# KiCad board eps.kicad_pcb (continued)
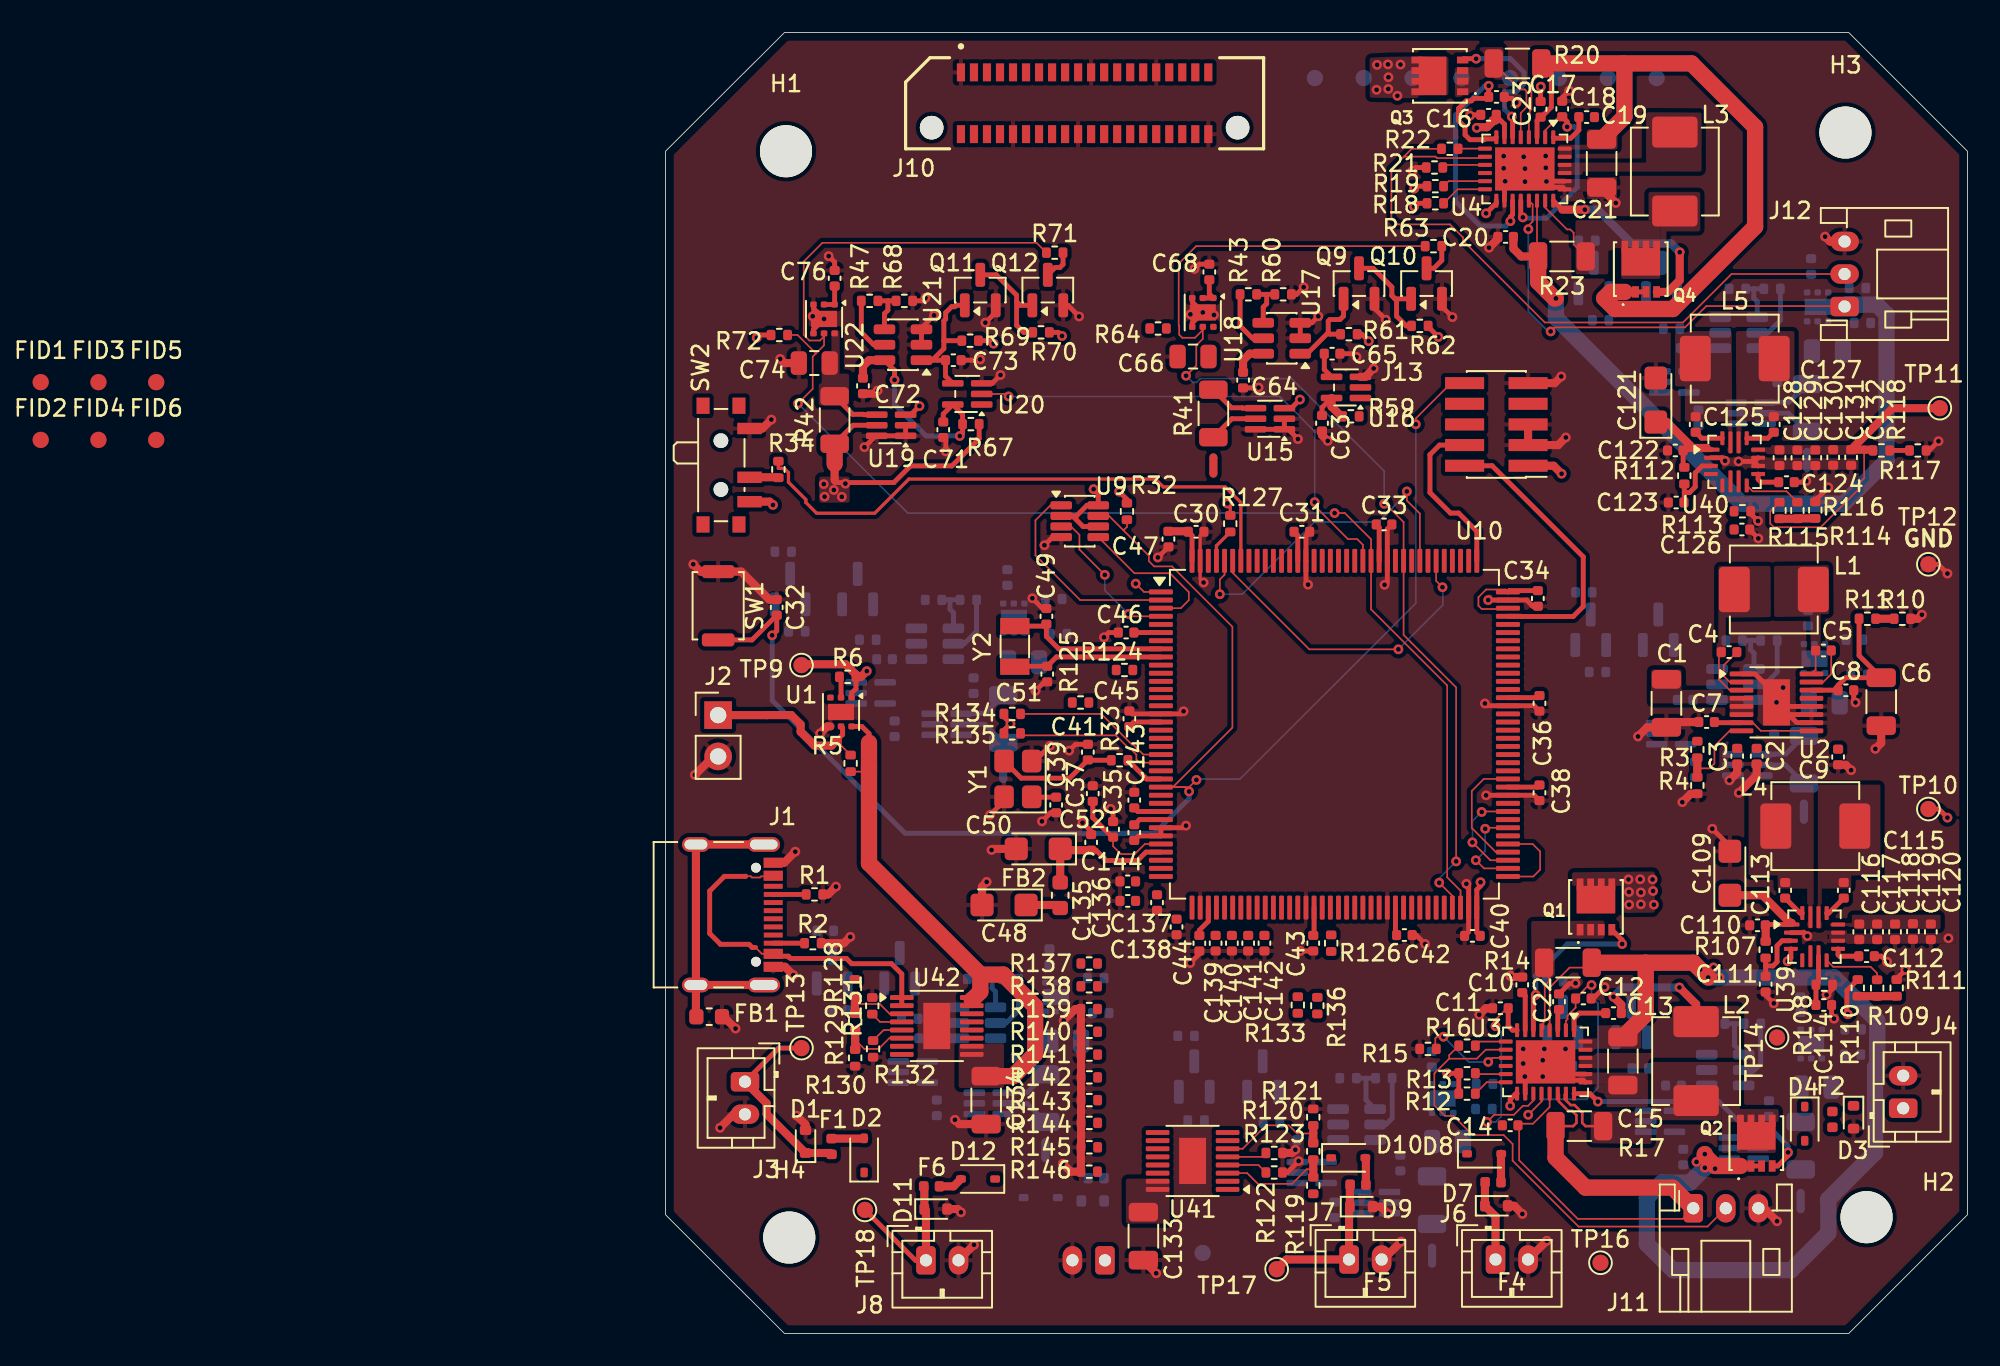
[diagram p0: board, top side]
## Routing (per net, layer and track width the routed paths; a pad name or vN(x,y) marks a point on that pad's centre or on a via; arc(x,y) is an arc through that point) (continued)
VBUS: length 21.8
  Top w0.1: 4.92,28.12 5.23,28.12 5.31,28.04 5.8,28.04 5.87,28.11 6.57,28.11 6.62,28.15 ; 5.52,23.74 5.91,23.35 6.62,23.35 ; 3.36,23.95 3.36,23.93
  Top w0.3: 5.52,23.74 5.32,23.74 5.13,23.93 3.36,23.93 ; U42.2 U42.1 14.51,22.11 13.88,22.74 11.43,22.74 11.11,23.06 7.68,23.06 7.59,23.15 7.55,23.15 7.55,23.2 6.76,23.2 6.62,23.35 ; 3.36,23.95 2.71,24.6 2.71,27.21 3.61,28.11 4.91,28.11 4.92,28.12
/Battery Charger1/CSN: length 75.8
  Top w0.1: U4.19 53.28,69.43 53.28,68.38 53.02,68.12 v1(53.02,67.91) ; R23.2 53.55,66.3 U4.20 ; J12.1 72.42,63.18 63.96,63.18 62.64,61.87 54.63,61.87 v1(54.39,61.62)
  Top w0.2: 53.02,69.63 U4.19
  Top w0.5: R23.2 52.58,66.23 52.1,66.71 C20.1
  Top w1: R23.2 53.62,64.66 54.63,63.65 v1(54.71,63.65)
  Bottom w0.1: v1(53.02,67.91) 53.02,62.84 54.24,61.62 v1(54.39,61.62)
  Bottom w1: v1(54.71,63.65) 54.71,62.47 66.15,51.03 72.39,51.03 75.03,53.67 75.03,62.68 74.43,63.27 72.57,63.27 J12.1
/Battery Charger1/CSP: length 4.6
  Top w0.1: U4.21 54.05,69.24 55.4,67.89 55.6,67.89 55.8,67.69 55.8,66.97 R23.1
/Battery Charger1/NTC: length 43.5
  Top w0.1: 45.37,72.37 44.6,71.6 44.6,68.6 45,68.2 48.2,68.2 49,67.4 49,67.2 54.03,62.17 62.52,62.17 65.5,65.15 J12.2 ; 45.37,72.37 45.85,72.85 R22.2 ; 45.37,72.37 47.31,72.37 47.4,72.28 50.27,72.28 U4.10
/Battery Charger1/VOUT: length 50.6
  Top w0.1: R20.2 53.81,77.54 53.2,76.93 53.2,75.28 53.1,75.17 53.1,74.9 53.05,74.85 U4.4
  Top w0.3: U4.3 53.55,74.58 C23.1 53.82,74.8 54.43,75.41 54.43,77.52 53.85,78.1 R20.2 ; Q4.3 Q4.2
  Top w0.5: Q4.1 Q4.2
  Top w1: 58.86,78.1 58.92,78.04 58.92,74.83 57.52,73.42 ; 58.86,78.1 63.04,78.1 66.95,74.19 66.95,68.06 61.89,63 58.34,63 57.68,63.66 58.07,64.05 Q4.1 ; 58.86,78.1 R20.2
/Battery Charger/CSN: length 33.3
  Top w0.1: U3.19 54.32,13.92 53.3,12.9 52.48,12.9 52.45,12.87 52.45,10.65 56.05,7.05 62.5,7.05 J11.1
  Top w0.158: R17.2 55.77,12.75 55.97,12.95 55.97,13.42 55.71,13.69 55.47,13.69 54.89,14.26 54.89,14.68 U3.20
  Top w1: R17.2 54.69,10.81 56.53,8.97 61.88,8.97 J11.1
/Battery Charger/CSP: length 3.8
  Top w0.158: U3.21 55.25,14.68 55.25,14.41 55.62,14.05 55.86,14.05 56.33,13.57 56.33,12.95 56.53,12.75 R17.1
/Battery Charger/NTC: length 30.1
  Top w0.1: U3.10 50.4,17.45 49.85,16.9 48.15,16.9 ; 48.15,16.9 48.15,17.11 R16.2 ; 48.15,16.9 47.24,15.99 47.24,14.03 47.89,13.38 48.41,13.38 49.59,12.2 51.5,12.2 52.05,11.65 52.05,10.62 56.1,6.57 64.02,6.57 J11.2
/Battery Charger/SW1: length 8
  Top w0.5: L2.1 63.32,20.25 v1(62.3,21.28) ; v1(58.25,20.7) 58.73,20.22 C13.2
  Bottom w0.5: v1(62.3,21.28) 58.83,21.28 v1(58.25,20.7)
/Battery Charger/VOUT: length 70.4
  Top w0.1: R14.2 56.61,22.5 55.55,22.5 54.32,21.27 U3.4
  Top w0.3: 54.82,19.94 54.9,20.02 ; C22.1 54.82,19.84 U3.3 ; Q2.1 Q2.2 Q2.3
  Top w1: v1(63.86,11.03) 63.86,10.93 64.49,10.3 Q2.1 ; C15.1 60.23,19.63 60.23,22.8 ; v1(64.07,21.89) 63.16,22.8 60.23,22.8 ; 60.23,22.8 R14.2
  Bottom w1: v1(64.07,21.89) 71.8,21.89 74.46,19.24 74.46,16.5 74.32,16.36 74.32,11.12 71.45,8.25 71.45,6.18 69.16,3.89 61.91,3.89 60.3,5.5 60.3,8.35 61.23,9.28 62.95,9.28 v1(63.86,10.19) v1(63.86,11.03)
  vias: v1(63.35,10.55) v1(63.58,22.38) v1(64.4,22.51) v1(64.49,10.14) v1(64.77,21.89)
/C1_SCL: length 1.9
  Top w0.1: U3.13 49.81,15.95 R13.1
/C1_SDA: length 2.2
  Top w0.1: U3.14 50.46,15.45 R12.1
/C2_SCL: length 2.7
  Top w0.1: R19.1 48.12,70.86 U4.13
/C2_SDA: length 2.9
  Top w0.1: R18.1 48.67,70.36 U4.14
/Current Monitors/Aux 1/RREF+: length 3.7
  Bottom w0.3: R36.1 68.31,40.67 67.55,39.91 U25.5
/Current Monitors/Aux 1/RREF-: length 3
  Bottom w0.3: R36.2 66.68,42.61 ; 66.68,42.61 66.18,42.61 ; 66.68,42.61 66.68,42.04 66.89,41.83 U25.4
/Current Monitors/Aux 1/Shunt+: length 3.1
  Bottom w0.3: R50.1 68.81,34.96 U23.5
/Current Monitors/Aux 1/Shunt-: length 3.1
  Bottom w0.3: R50.2 68.84,35.64 68.18,35.64 68.15,35.61 U23.4
/Current Monitors/Aux 2/RREF+: length 3.7
  Bottom w0.3: R40.1 19.11,43.17 18.35,42.41 U29.5
/Current Monitors/Aux 2/RREF-: length 3
  Bottom w0.3: 17.47,45.11 R84.1 ; 17.47,45.11 R40.2 ; 17.47,45.11 17.47,44.54 17.69,44.33 U29.4
/Current Monitors/Aux 2/Shunt+: length 3.1
  Bottom w0.3: U27.5 19.61,37.46 R49.1
/Current Monitors/Aux 2/Shunt-: length 3.1
  Bottom w0.3: R49.2 19.64,38.14 18.97,38.14 18.95,38.11 U27.4
/Current Monitors/Auxiliary & Deployables/RREF+: length 3.7
  Bottom w0.3: U37.5 66.91,16.2 67.3,16.59 R48.1
/Current Monitors/Auxiliary & Deployables/RREF-: length 3.3
  Bottom w0.3: U37.4 65.69,17.71 65.69,19.05 ; 65.69,19.05 R100.1 ; 65.69,19.05 R48.2
/Current Monitors/Comms/RREF+: length 3.7
  Bottom w0.3: R39.1 21.7,19.86 20.94,19.1 20.28,19.1
/Current Monitors/Comms/RREF-: length 3
  Bottom w0.3: 20.06,21.8 20.06,21.22 20.28,21.01 20.28,20.05 ; 20.06,21.8 R39.2 ; 20.06,21.8 R52.1
/Current Monitors/Comms/Shunt+: length 3.1
  Bottom w0.3: R38.1 22.2,14.15 U11.5
/Current Monitors/Comms/Shunt-: length 3.1
  Bottom w0.3: R38.2 22.22,14.83 21.56,14.83 21.54,14.8 U11.4
/Current Monitors/GPS/RREF+: length 3.7
  Top w0.3: U21.5 12.79,60.8 12.03,61.56 R47.1
/Current Monitors/GPS/RREF-: length 3
  Top w0.3: 13.66,63.5 R68.1 ; 13.66,63.5 13.66,62.92 13.45,62.71 U21.4 ; 13.66,63.5 R47.2
/Current Monitors/GPS/Shunt+: length 4.3
  Top w0.3: U19.5 11.53,55.85 R42.1
  Top w1: NT4.2 R42.1
/Current Monitors/GPS/Shunt-: length 3.1
  Top w0.3: R42.2 11.5,56.53 12.16,56.53 12.19,56.5 U19.4
/Current Monitors/OBC/RREF+: length 3.7
  Bottom w0.3: U7.5 67.75,61.54 68.51,62.3 R35.1
/Current Monitors/OBC/RREF-: length 3
  Bottom w0.3: U7.4 67.08,63.45 66.87,63.67 66.87,64.24 ; 66.87,64.24 R25.1 ; 66.87,64.24 R35.2
/Current Monitors/OBC/Shunt+: length 3.1
  Bottom w0.3: U5.5 69.01,56.59 R37.1
/Current Monitors/OBC/Shunt-: length 3.1
  Bottom w0.3: U5.4 68.35,57.24 68.37,57.27 69.03,57.27 R37.2
/Current Monitors/RAIL_3_VOUT: length 1.9
  Top w0.3: U18.2 U18.1 33.41,63.92 C68.2
/Current Monitors/RAIL_4_RST: length 30.9
  Top w0.1: v1(21.08,57.62) 20.93,57.78 U20.2 ; U10.123 42.85,48.5 42.5,48.85 41.93,48.85 39.89,50.89 v1(39.89,51.12)
  Bottom w0.1: v1(21.08,57.62) 37.74,57.62 39.89,55.47 v1(39.89,51.12)
/Current Monitors/RAIL_4_VOUT: length 1.8
  Top w0.3: C76.2 10.39,64.41 U22.1 U22.2
/Current Monitors/Raspberry Pi Camera/RREF+: length 3.7
  Bottom w0.3: R44.1 44.65,13.24 44.26,12.85 U33.5
/Current Monitors/Raspberry Pi Camera/RREF-: length 3.3
  Bottom w0.3: 43.04,15.7 R92.1 ; 43.04,15.7 43.04,14.36 U33.4 ; 43.04,15.7 R44.2
/Current Monitors/Sensors/RREF+: length 3.7
  Top w0.3: R43.1 35.3,61.96 36.06,61.2 36.72,61.2
/Current Monitors/Sensors/RREF-: length 3
  Top w0.3: 36.72,62.15 36.72,63.11 36.94,63.33 36.94,63.9 ; R43.2 36.94,63.9 ; 36.94,63.9 R60.1
/Current Monitors/Sensors/Shunt+: length 3.1
  Top w0.3: U15.5 34.8,56.25 R41.1
/Current Monitors/Sensors/Shunt-: length 3.1
  Top w0.3: U15.4 35.46,56.9 35.44,56.92 34.78,56.92 R41.2
/D_STAT2: length 2.1
  Top w0.2: R127.2 33.85,48.44 U10.141
/MPPT/MPPC: length 5.5
  Top w0.1: 66.12,37.06 65.39,37.06 64.45,36.12 64.45,35.05 64.15,34.75 63.4,34.75
  Top w0.5: R3.2 R4.1
/MPPT_ADC: length 1.1
  Top w0.5: R11.2 R10.1
/MPPT_V: length 9
  Top w0.3: R11.1 73.34,41.69 C6.1 72.52,40.33 72.05,39.86 C8.1 72.04,39.56 U2.14
/Power Path Ideal Diode1/VOUT: length 33.4
  Top w0.1: R5.2 12.27,34.55 12.5,34.78 12.3,34.98
  Top w0.3: U1.6 12.06,37.33 12.5,36.89 12.5,36.33 ; U42.15 U42.16
  Top w1: 19.34,22.07 20.75,22.07 22.71,20.11 22.71,17.18 21.35,15.83 C134.1 ; 19.34,22.07 19.34,21.02 18.84,20.51 18.81,20.51 ; 19.34,22.07 12.5,28.91 12.5,36.33
/REG_1_ALT: length 0.8
  Top w0.3: v1(68.95,22.89) 69.15,23.09 U39.4
/REG_2_ALT: length 1.8
  Top w0.1: U10.1 29.4,45.6 v1(28.89,46.11)
/RESET: length 101.5
  Top w0.1: 28.14,49.39 28.35,49.6 R32.2 ; 28.14,49.39 27.25,50.28 U9.7 ; 28.14,49.39 29.7,47.83 29.7,47.49 30.02,47.17 31.12,47.17 34.83,43.46 34.83,37.26 31.17,33.6 U10.25 ; v1(46.1,55.91) 46.1,56.27 48.27,58.44 J13.10 ; U10.25 31.9,33.6 v1(32.17,33.33) ; U10.25 32.18,33.6 v1(32.62,34.04)
  Top w0.3: SW1.2 5.31,42.65 C32.2 6.83,43.21 v1(6.55,42.93)
  Bottom w0.1: v1(32.62,34.04) 32.67,34.09 35.29,34.09 46.1,44.9 v1(46.1,55.91)
  Bottom w0.3: v1(32.17,33.33) 32.17,32.89 30.04,30.76 14.72,30.76 6.55,38.93 v1(6.55,42.93)
/SET0: length 13
  Top w0.1: U9.1 23.65,50.92 22.73,50 22.73,47.85 25.48,45.1 U10.2
/SET1: length 9.4
  Top w0.1: U10.3 31.66,44.6 32.15,45.09 32.15,45.59 30.99,46.75 28.81,46.75 U9.5
/SHIELD: length 18.9
  Top w0.5: FB1.1 1.87,19.51 J1.S1 ; J1.S1 J1.S1 J1.S1 ; J1.S1 J1.S1
/STM32L4/BOOT: length 35.5
  Top w0.2: R34.1 6.93,53.2 7.13,53.2 7.14,53.19 7.3,53.19 7.55,52.94 7.55,52.35 8.62,51.28 8.62,51.1 9.28,50.44 12.85,50.44 14.95,52.54 30.1,52.54 30.58,52.06 34.39,52.06 35.35,51.1 U10.138
/STM32L4/RAIL_1_ON: length 19.6
  Top w0.1: U10.114 47.35,46.28 v1(47.74,45.89) ; U10.139 34.85,46.78 39.55,42.07 v1(45.03,42.07)
  Bottom w0.1: v1(47.74,45.89) 47.76,45.87 47.76,44.8 v1(45.03,42.07)
/STM32L4/RAIL_2_ON: length 21
  Top w0.1: U10.140 34.35,46.66 34.06,46.37 v1(34.06,45.46) ; U10.116 46.35,50.42 45.55,51.22 v1(45.55,51.78)
  Bottom w0.1: v1(45.55,51.78) 45.3,51.53 45.3,51.41 44.71,50.82 44.71,50.79 44.39,50.47 44.36,50.47 43.79,49.9 39.88,49.9 35.44,45.46 v1(34.06,45.46)
/STM32L4/RAIL_3_ON: length 69.6
  Top w0.1: v1(48.58,29.03) 48.58,39.73 45.35,42.96 U10.118 45.35,49.9 44.23,51.02 v1(44.16,51.02) ; R63.1 32.6,66.86 31.53,65.79 31.53,61.99 31.56,61.96 31.56,61.42 31.75,61.23 32.53,61.23 33.01,61.71 U18.5 33.01,61.17 32.61,60.76 32.61,59.52 v1(31.98,58.9) ; U10.69 48.35,26.91 v1(47.54,27.72)
  Bottom w0.1: v1(48.58,29.03) 47.54,27.99 v1(47.54,27.72) ; v1(44.16,51.02) 44.16,53.03 38.47,58.72 32.86,58.72 32.63,58.49 32.39,58.49 v1(31.98,58.9)
/STM32L4/RAIL_4_ON: length 92.6
  Top w0.1: R72.2 8.11,61.4 9.24,60.27 ; R71.1 22.79,67.07 9.64,67.07 8.49,65.92 8.49,61.41 8.84,61.06 9.49,61.06 9.74,61.31 U22.5 9.74,60.77 9.24,60.27 ; 9.24,60.27 9.04,60.07 9.04,58.09 v1(8.14,57.19) ; v1(41.11,50.45) 41.74,50.45 43.35,48.84 U10.122 43.35,44.53 48.03,39.85 48.03,28.05 48.85,27.23 U10.70
  Bottom w0.1: v1(41.11,50.45) 14.88,50.45 v1(8.14,57.19)
/STM32L4/RAIL_5_ON: length 5.4
  Top w0.1: U10.73 53.32,28.1 53.74,28.52 53.74,29.64 53.28,30.1 U10.77
/STM32L4/RAIL_6_ON: length 5.8
  Top w0.1: U10.74 50.29,28.6 v1(49.79,29.1) ; v1(50.37,31.04) 50.43,31.1 U10.79
  Bottom w0.1: v1(50.37,31.04) 50.37,29.68 v1(49.79,29.1)
/STM32L4/RAIL_7_ON: length 6.4
  Top w0.1: v1(50.15,32.07) 50.18,32.1 U10.81 ; v1(49.58,30.2) 50.68,29.1 U10.75
  Bottom w0.1: v1(50.15,32.07) 49.58,31.5 v1(49.58,30.2)
/STM32L4/RAIL_7_S: length 1.7
  Top w0.3: C143.1 29.02,32.1 U10.28
/STM32L4/RAIL_8_ON: length 7.6
  Top w0.1: U10.85 50.28,34.1 49.54,33.36 49.54,31.09 51.03,29.6 U10.76
/STM32L4/RAIL_8_S: length 1.8
  Top w0.3: C144.1 29.12,31.6 U10.29
/STM32L4/SWCLK: length 10.4
  Top w0.3: U10.109 49.85,49.33 48.73,50.45 48.23,50.45 46.97,51.71 46.97,54.04 47.56,54.63 J13.4
/STM32L4/SWDIO: length 17.5
  Top w0.3: U10.105 52.6,44.1 52.62,44.09 55.77,44.09 56.39,44.71 56.39,47.76 50.79,53.36 J13.2
/U_WARN1: length 9.7
  Top w0.1: U10.21 29.36,35.6 28.74,36.22 28.65,36.22 26.77,38.1 R134.2
/U_WARN2: length 9.6
  Top w0.1: R135.2 21.93,36.78 27.66,36.78 28.53,35.92 28.61,35.92 28.93,35.6 28.93,35.3 29.13,35.1 U10.22
/VREF+: length 6.7
  Top w0.1: C35.1 27.5,29.96 27.98,29.48 28.83,29.48 29.45,30.1 U10.32
  Top w0.3: C37.1 26.25,31.72 27.45,30.52 C35.1
/VSYS: length 11.7
  Top w0.3: R6.2 11.7,39.65 11.43,39.38 U1.1 ; 51.05,74.63 C16.1 51.05,74.86 51.55,74.36 U4.7 ; C10.1 52.82,20.78 U3.7
  Top w0.5: v1(12.36,40.73) 12.01,40.38 R6.2 11.7,40.51 11.06,41.15 8.4,41.15 TP9.1 ; 51.05,74.63 51.02,74.6 50.82,74.6 50.82,74.52 50.48,74.18 49.89,74.18 v1(49.85,74.14)
  vias: v1(43.72,78.01) v1(43.69,76.48) v1(44.39,78.04) v1(44.42,77.25) v1(44.41,76.53) v1(44.97,76.11) v1(45.16,78.03) v1(59.17,27.92) v1(59.2,27.15) v1(59.21,26.37) v1(59.89,27.93) v1(59.93,27.12) v1(59.93,26.39) v1(60.65,27.92) v1(60.68,27.21) v1(60.73,26.37)
/WDI: length 9.5
  Top w0.1: U9.3 24.91,49.62 25.43,49.11 25.43,48.21 v1(26.99,46.65) ; v1(28.44,44.25) 28.59,44.1 U10.4
  Bottom w0.1: v1(26.99,46.65) 26.99,45.7 v1(28.44,44.25)
Net-(C41-Pad1): length 7.5
  Top w0.3: R33.2 25.97,35.25 C41.1 24.83,34.15 21.85,34.15 Y1.3
Net-(D1-A1): length 11.9
  Top w0.3: J3.1 6.95,17.55 TP13.1
  Top w0.5: J3.1 6.21,14.15 6.21,13.49 D1.1 10.12,11.1 F1.1
Net-(D2-A): length 2
  Top w0.5: F1.2 12.19,11.98 D2.2
Net-(D7-A1): length 5
  Top w0.5: F4.1 50.35,9.28 D7.1 51,7.2 J6.1
Net-(D8-A): length 1.8
  Top w0.5: F4.2 51.34,11.03 D8.2
Net-(D9-A1): length 9.3
  Top w0.5: TP17.1 38.15,4.55 J7.1 42,7.75 D9.1 42.05,9.14 F5.1
Net-(D10-A): length 1.7
  Top w0.5: F5.2 43.03,10.77 D10.2
Net-(D11-A1): length 9.6
  Top w0.3: J8.1 15.35,4.5 TP18.1
  Top w0.5: J8.1 16,7.55 D11.1 15.9,9.02 F6.1
Net-(D12-A): length 1.5
  Top w0.5: D12.2 17.7,9.05 F6.2
Net-(J1-CC1): length 2
  Top w0.3: 6.62,27 R1.1
Net-(J1-CC2): length 1.9
  Top w0.3: 6.62,24 R2.1
Net-(J2-Pin_1): length 11.5
  Top w0.1: R5.1 10.78,36.16 U1.5
  Top w0.3: U1.5 10.88,37.23 10.88,36.83 10.5,36.45
  Top w0.5: 10.5,36.45 10.2,36.15 9.15,36.15 8.3,37 8.3,37.45 7.72,38.03 6.23,38.03 6.22,38.03 J2.1
Net-(Q1-G): length 10.7
  Top w0.3: v1(58.78,23.95) 58.78,24.19 Q1.4 ; U3.6 53.32,20.67 v1(53.47,20.82)
  Bottom w0.3: v1(53.47,20.82) 53.47,22.01 55.42,23.95 v1(58.78,23.95)
Net-(Q2-G): length 16.3
  Top w0.3: v1(57.29,14.26) 56.8,14.75 U3.22 ; Q2.4 68.34,10.3 68.98,10.94 v1(68.98,11.13)
  Bottom w0.3: v1(57.29,14.26) 64.73,14.26 66.39,12.6 67.89,12.6 68.98,11.52 v1(68.98,11.13)
Net-(Q3-G): length 9.3
  Top w0.3: v1(49.81,78.39) 49.06,78.39 Q3.4 ; U4.6 52.05,74.78 v1(52,74.83)
  Bottom w0.3: v1(52,74.83) 51.55,75.28 51.55,76.35 52.25,76.35 52.75,76.85 52.75,77.55 51.91,78.39 v1(49.81,78.39)
Net-(Q4-G): length 12.5
  Top w0.3: U4.22 55.1,69.11
  Top w0.5: v1(62.32,66.49) 62.32,64.77 61.6,64.05 60.91,64.05 ; v1(56.49,69.11) 55.1,69.11
  Bottom w0.5: v1(62.32,66.49) 61.78,67.03 59.36,67.03 57.28,69.11 v1(56.49,69.11)
Net-(Q9-G): length 7.5
  Top w0.3: Q9.1 41.66,62.57 41.44,62.35 40.82,62.35 40.72,62.25 40.72,61.54 ; R61.2 40.81,61.45 40.72,61.54 ; C65.2 40.48,59.27 U16.4 ; 40.72,61.54 39.43,60.25 U17.1
Net-(Q10-D): length 2
  Top w0.3: R63.2 47.7,65.99 47.21,65.5 Q10.3
Net-(Q10-G): length 6.8
  Top w0.3: 44.63,63.82 44.92,63.53 44.92,62.56 45.52,61.96 R62.2 ; 44.63,63.82 44.63,64.35 43.48,65.5 Q9.3 ; 44.63,63.82 44.82,63.62 Q10.1
Net-(Q11-D): length 6.8
  Top w0.3: Q11.3 20.32,65.1 21.57,63.85 21.57,63.45 ; Q12.1 21.79,63.22 21.57,63.45 ; 21.57,63.45 21.57,62 22.01,61.56 R70.2
Net-(Q11-G): length 9.5
  Top w0.3: 17.65,58.42 17.2,58.87 C73.2 U21.1 16.39,59.85 17.1,60.56 17.1,61.06 ; Q11.1 17.85,63.22 17.77,63.14 17.58,63.14 17.21,62.77 17.21,62.38 17.1,62.27 17.1,61.06 ; 17.1,61.06 17.11,61.05 R69.2
Net-(Q12-D): length 1.9
  Top w0.3: R71.2 24.42,65.74 24.23,65.55 23.94,65.55 Q12.3
Net-(R109-Pad2): length 2.4
  Top w0.5: R110.2 74.44,20.74 R109.2 74.46,20.74 R111.1
Net-(R114-Pad2): length 2.2
  Top w0.5: R116.1 69.72,50.12 69.7,50.1 R114.2 R115.2
Net-(SW2-B): length 1.8
  Top w0.5: SW2.2 6.9,52.65 R34.2
Net-(U1-QOD): length 1.3
  Top w0.3: U1.2 10.78,40.28 R6.1
Net-(U2-BST1): length 3
  Top w0.1: 66.12,40.06 65.39,40.06 65.03,40.42 65.03,41.1 C4.2
Net-(U2-BST2): length 2.9
  Top w0.1: C5.1 71.63,40.55 71.14,40.06 U2.15
Net-(U2-SW1): length 3.4
  Top w0.1: 66.12,39.56 65.39,39.56 64.73,40.22 64.73,41.76 C4.1
Net-(U2-SW2): length 1.5
  Top w0.1: C5.2 70.67,40.81 U2.16
Net-(U3-BOOST): length 2.8
  Top w0.3: C13.1 56.15,19.7 55.82,19.38 U3.1
Net-(U3-CELLS0): length 13.8
  Top w0.1: U3.17 53.32,14.33 53,14 52.68,14 52.13,13.45 50.92,13.45 v1(50.48,13.01) ; v1(51,18.9) 50.9,19 50.9,19.2 51.7,20 C11.1
  Top w0.3: C11.1 51.78,18.92 52.05,18.65 U3.8
  Bottom w0.1: v1(51,18.9) 51.36,18.54 51.36,15 51.35,14.99 51.35,13.34 51.01,13.01 v1(50.48,13.01)
Net-(U3-CELLS1): length 16.6
  Top w0.1: U3.18 53.82,14.27 v1(53.01,13.45) ; U3.2 55.32,19.22 55.42,19.32 55.42,19.54 55.92,20.04 C12.1 56.4,21.08 56.4,21.1 56.6,21.3 56.78,21.3 v1(56.9,21.42)
  Bottom w0.1: v1(56.9,21.42) 56.9,20.7 57.3,20.3 57.3,15.1 56.6,14.4 53.96,14.4 v1(53.01,13.45)
Net-(U3-CLP): length 4.5
  Top w0.1: R14.1 54.27,22.52 54.27,21.64 54.02,21.4 54.02,19.22 53.95,19.14 53.95,18.77 U3.5
Net-(U3-NTCBIAS): length 2
  Top w0.1: U3.9 50.01,17.95 R16.1
Net-(U3-RT): length 5.8
  Top w0.1: U3.11 50.8,16.95 v1(50.55,16.7) ; v1(47.8,18.25) 47.4,18.25 47.3,18.15 47.3,17.56 R15.1
  Bottom w0.1: v1(50.55,16.7) 49.35,16.7 v1(47.8,18.25)
Net-(U4-BOOST): length 2.6
  Top w0.3: C19.1 56.12,74 55.62,73.5 54.61,73.5 U4.1
Net-(U4-CELLS0): length 20.3
  Top w0.3: v1(51.91,68.4) 51.91,68.4 51.91,68.66 52.05,68.8 U4.17 ; U4.8 50.95,73.46 50.36,73.46 50.31,73.41 49.43,73.41 49.13,73.71 49.13,74.18 48.73,74.58 48.73,75.33 49.2,75.8 49.52,75.8 49.67,75.95 50.49,75.95 C17.1 v1(50.58,76.72)
  Bottom w0.3: v1(50.58,76.72) 50.34,76.72 48.54,74.92 48.54,69.62 50.06,68.1 51.62,68.1 51.91,68.4 v1(51.91,68.4)
Net-(U4-CELLS1): length 12
  Top w0.1: U4.2 54.05,73.98 54.89,74.82 C18.1
  Top w0.3: v1(52.68,68.63) 52.68,68.65 52.55,68.78 U4.18 ; C18.1 55.4,74.52 v1(55.4,74.2)
  Bottom w0.3: v1(55.4,74.2) 55.85,74.2 56.02,74.03 56.02,70.48 54.12,68.58 52.73,68.58 v1(52.68,68.63)
Net-(U4-CLP): length 5.7
  Top w0.1: U4.5 52.55,75.05 52.9,75.4 52.9,76.4 52.8,76.5 52.49,76.5 R20.1
Net-(U4-NTCBIAS): length 1.7
  Top w0.1: U4.9 48.71,72.86 R22.1
Net-(U4-RT): length 2.7
  Top w0.1: U4.11 47.92,71.86 R21.1
Net-(U10-PC14): length 10.1
  Top w0.3: Y2.1 23.28,43.5 C49.2 23.4,42.86 24.16,42.1 U10.8
Net-(U10-PC15): length 9.2
  Top w0.3: U10.9 24.02,41.6 C51.2 21.49,41.03 Y2.2
Net-(U10-PH0): length 1.5
  Top w0.3: C39.1 22.52,32.98 Y1.1
Net-(U10-PH1): length 2.5
  Top w0.3: U10.24 29.56,34.1 R33.1
Net-(U17-VDD): length 4.9
  Top w0.3: U16.5 40.34,56.94 C63.1
  Top w0.5: R59.2 41.52,56.4 40.93,57 U16.5 ; C64.2 35.49,59.85 35.89,60.25 36.72,60.25
Net-(U21-VDD): length 13.6
  Top w0.3: v1(14.07,58.64) 14.07,59.23 U21.6 ; v1(18.08,55.19) 18.25,55.36 R67.2 18.25,56.53 U20.5 17.06,56.54 C71.1
  Top w0.5: C72.2 12.13,59.48 12.5,59.85 U21.6
  Bottom w0.3: v1(14.07,58.64) 14.07,57.13 16.01,55.19 v1(18.08,55.19)
Net-(U39-BST1): length 1.4
  Top w0.3: U39.16 69.72,25.85 C113.1
Net-(U39-BST2): length 1.4
  Top w0.3: C115.1 71.48,25.85 U39.13
Net-(U39-EN): length 3.9
  Top w0.3: U39.3 68.61,24.15 68.3,23.84 68.3,22.85 68.05,22.6 67.6,22.6 ; 67.6,22.6 C111.1 ; 67.6,22.6 R107.2
Net-(U39-FB): length 3.8
  Top w0.1: U39.8 71.75,22.55 74.05,22.55 74.45,22.15 R109.1
Net-(U39-OC): length 3.1
  Top w0.3: U39.7 70.85,21.61 R108.1 C114.1
Net-(U39-VCC): length 1.7
  Top w0.3: U39.9 72.05,23.29 72.15,23.19 72.16,23.2 C112.1
Net-(U40-BST1): length 1.8
  Top w0.3: C125.1 63.67,55.05 U40.16
Net-(U40-BST2): length 1.8
  Top w0.3: U40.13 67.73,55.05 C127.1
Net-(U40-EN): length 4
  Top w0.3: U40.3 63.7,53.35 63.27,52.92 63.27,52.06 62.92,51.71 62.6,51.71 ; C123.1 62.6,51.12 62.6,51.71 ; 62.6,51.71 R112.2
Net-(U40-FB): length 3.5
  Top w0.1: R114.1 68.88,51.79 66.8,51.79 U40.8
Net-(U40-VCC): length 1.7
  Top w0.3: C124.1 67.31,52.35 67.14,52.52 U40.9
Net-(U41-CLIM1): length 2.5
  Top w0.1: U41.4 36.43,10.36 R122.1
Net-(U41-CLIM2): length 2.5
  Top w0.1: U41.5 36.65,10.86 R123.1
Net-(U41-EN1): length 7.5
  Top w0.1: U41.3 35.74,9.86 36.4,9.2 38.5,9.2 39.4,10.1 39.8,10.1
  Top w0.3: 39.8,9.6 39.8,10.1
  Top w0.5: R120.1 R119.2
Net-(U41-~{EN2}): length 7.1
  Top w0.1: U41.6 35.46,11.36 36.9,12.8 38.3,12.8 38.8,12.3 39.8,12.3
  Top w0.5: R120.2 R121.1
Net-(U42-CLIM1): length 2
  Top w0.1: R131.1 13.18,19.16 U42.4
Net-(U42-CLIM2): length 2
  Top w0.1: R132.1 13.4,18.66 U42.5
Net-(U42-EN1): length 4.2
  Top w0.1: U42.3 13.76,19.66 13.16,20.26 11.63,20.26
  Top w0.5: R128.2 11.63,19.69 R129.1
Net-(U42-~{EN2}): length 4.6
  Top w0.1: 11.65,18.06 12.21,17.5 13.09,17.5 13.75,18.16 U42.6
  Top w0.5: R129.2 R130.1

## Copper pours and planes (outline as drawn; the poured copper is in the pictures)
+3.3V on Top: 11.31,52.69 11.31,51.09 9.44,51.09 9.44,52.69
+3.3V on Top: 71.5,25 73,25 73.05,24.81 78.35,24.81 78.35,25.75 72.89,25.75 72.9,25.25 71.5,25.25
+3.3V on In2.Cu: 81.5,84.5 81.5,-3.5 -1.5,-3.5 -1.5,84.5
+5V on Top: 66.7,54.49 67.91,54.49 67.91,54.64 73.18,54.63 73.18,54.01 66.7,54.08
/3v3 Voltage Regulator/VIN on Top: 30.96,9.54 30.97,8.58 30.97,6.76 28.29,6.76 28.28,9.52 30.95,9.54
/MPPT/VIN on Top: 66.86,39.23 66.86,37.9 65.38,37.9 65.39,38.68 65.39,38.75 60.55,38.75 60.56,40.83 62.44,40.83 62.44,39.58 65.01,39.58 65.01,39.23
GND on Top: 56.1,16.1 60,16.1 60,14.45 57.68,14.45 57.68,15.31 56.1,15.3
GND on Top: 66.73,53.9 73.32,53.9 73.31,53.11 66.72,53.13
GND on Top: 56.62,70.99 56.62,71.12 58.46,71.12 58.47,69.76 56.62,69.77 56.62,70.22 54.8,70.19 54.8,70.99
GND on Top: 50.98,72.93 54.61,72.93 54.61,70.99 54.8,70.99 54.8,70.29 50.99,70.3
GND on Top: 71.5,24.8 71.5,23.95 79.28,23.98 79.28,24.63 72.6,24.59 72.6,24.8
GND on Top: -2,85 82,85 82,-4 -2,-4
GND on Bottom: -2.5,85.5 82.5,85.5 82.5,-4.5 -2.5,-4.5
GND on In1.Cu: -1,83 81,83 81,-2.5 -1,-3
/3v3 Voltage Regulator/SW1 on Top: 70.15,24.9 70.15,27.45 70.55,27.45 70.55,24.9
/3v3 Voltage Regulator/SW1 on Top: 68.34,27.36 68.34,28.16 66.55,28.16 66.55,33.75 70.55,33.75 70.55,27.35 69.16,27.36
/3v3 Voltage Regulator/SW2 on Top: 72.86,27.36 72.86,28.16 74.65,28.16 74.65,33.75 70.65,33.75 70.65,27.35 72.04,27.36
/3v3 Voltage Regulator/SW2 on Top: 71.05,24.9 71.05,27.45 70.65,27.45 70.65,24.9
/5V Voltage Regulator/SW1 on Top: 62.03,61.64 65.67,61.64 65.7,56.19 65.7,56.07 62.64,56.07 62.64,58.23 62.03,58.23
/5V Voltage Regulator/SW2 on Top: 65.84,61.64 69.37,61.64 69.37,56.11 65.8,56.07 65.77,61.62
/Battery Charger1/CSP on Top: 55.92,65.13 57.93,65.13 57.93,66.59 61.15,66.55 61.15,68.43 55.91,68.46
/Battery Charger1/CSP on Top: 60.4,70.2 63.58,70.2 63.58,67.77 61.5,67.77 61.5,64.85 58.64,64.85 58.64,67.28 60.41,67.27
/Battery Charger1/SW1 on Top: 54.8,72 60.25,72 60.25,75.1 63.67,75.08 63.66,72.13 63.66,71.45 62.02,71.45 56.37,71.45 56.37,71.12 54.8,71.12
/Battery Charger1/VOUT on Top: 54.8,73.1 54.8,72.2 55.7,72.2 55.7,72.8 58.5,72.8 58.5,74.05 56.6,74.05 56.6,73.1
/Battery Charger/CSP on Top: 68.4,11.1 68.4,13.8 64.9,13.8 64.9,11.1
/Battery Charger/CSP on Top: 58.43,13.66 60.62,13.65 60.62,15.5 60.6,16.7 66,16.7 66.03,13.1 60.6,13.12 60.6,11.65 56.85,11.7 56.85,13.66
/Battery Charger/SW1 on Top: 56.05,17.25 56.05,16.3 60.4,16.3 60.4,16.75 66.03,16.75 66.03,20.15 61.85,20.15 61.85,19.45 60.62,19.45 60.62,17.25
/Battery Charger/VOUT on Top: 56.05,18.15 57.25,18.15 57.25,18.95 59.95,18.95 59.95,17.46 57.3,17.46 57.3,17.25 56.05,17.25
/Current Monitors/GPS/Shunt- on Top: 11.28,57.07 11.28,59.02 10.7,59.02 10.7,61.7 10.19,61.7 10.19,60.42 9.59,60.42 9.59,58.43 9.41,58.43 9.41,57.07
/Power Path Ideal Diode1/VOUT on Top: 18.07,17.82 20.8,17.83 20.8,15.1 18.01,15.1 18.01,17.82
/VSYS on Top: 60.79,25.88 60.8,28.41 55.7,28.36 55.7,25.83 55.99,25.83
/VSYS on Top: 45.75,78.52 48.11,78.5 48.11,75.96 45.56,75.96 43.27,75.99 43.26,78.45 44.49,78.51
/VSYS on In3.Cu: -2.75,85.85 82.95,85.85 83,-4.9 -2.5,-4.85 -2.85,-4.85
Net-(U2-SW1) on Top: 64.58,41.58 65.15,41.58 65.15,44.02 68.04,44.05 68.04,47.2 64.69,47.19 64.69,42.49 64.58,42.49
Net-(U2-SW2) on Top: 70.37,41.68 70.98,41.68 70.98,44.23 71.51,44.23 71.49,47.24 68.11,47.2 68.12,44.06 70.34,44.09
Net-(U3-CLP) on Top: 57.76,25.39 57.76,24.28 54.63,24.28 54.65,21.84 53.22,21.83 53.19,25.36
Net-(U4-CLP) on Top: 48.5,77.9 50,77.9 50,79.1 51.5,79.1 51.5,77.1 50,77.1 50,76.2 48.5,76

Small or netless copper shapes (teardrops, artwork), in the pictures only: 2 on Top

## Text on the board
F.Silkscreen: GND
